# KiCad board untitled.kicad_pcb (continued)
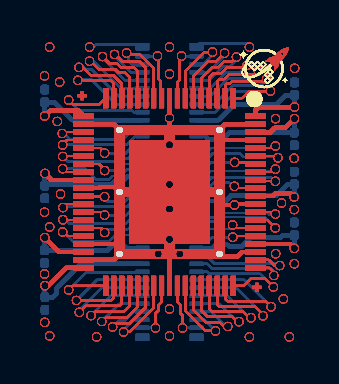
[diagram p0: board, top side]
## Routing (per net, layer and track width the routed paths; a pad name or vN(x,y) marks a point on that pad's centre or on a via; arc(x,y) is an arc through that point) (continued)
/PIN 45: length 239.2
  Top w0.1: 11.52,1.9 11.24,2.18 ; 11.52,1.9 v1(11.78,1.9) ; 11.52,1.9 v1(11.78,1.9) ; 11.52,1.9 v1(11.78,1.9) ; 11.52,1.9 11.24,2.18 ; 11.52,1.9 11.24,2.18 ; 11.52,1.9 v1(11.78,1.9) ; 11.52,1.9 11.24,2.18 ; 11.52,1.9 11.24,2.18 ; 11.52,1.9 v1(11.78,1.9) ; 11.52,1.9 v1(11.78,1.9) ; 11.52,1.9 11.24,2.18 ; 11.52,1.9 11.24,2.18 ; 11.52,1.9 11.24,2.18 ; 11.52,1.9 11.24,2.18 ; 11.52,1.9 11.24,2.18 ; 11.52,1.9 11.24,2.18 ; 11.52,1.9 v1(11.78,1.9) ; 11.52,1.9 11.24,2.18 ; 11.52,1.9 11.24,2.18 ; 11.52,1.9 v1(11.78,1.9) ; 11.52,1.9 v1(11.78,1.9) ; 11.52,1.9 v1(11.78,1.9) ; 11.52,1.9 v1(11.78,1.9) ; 11.52,1.9 v1(11.78,1.9) ; 11.52,1.9 v1(11.78,1.9) ; 11.52,1.9 11.24,2.18 ; 11.52,1.9 11.24,2.18 ; 11.52,1.9 11.24,2.18 ; 11.52,1.9 11.24,2.18 ; 11.52,1.9 v1(11.78,1.9) ; 11.52,1.9 11.24,2.18 ; 11.52,1.9 v1(11.78,1.9) ; 11.52,1.9 11.24,2.18 ; 11.52,1.9 11.24,2.18 ; 11.52,1.9 11.24,2.18 ; 11.52,1.9 11.24,2.18 ; 11.52,1.9 v1(11.78,1.9) ; 11.52,1.9 v1(11.78,1.9) ; 11.52,1.9 11.24,2.18 ; 11.52,1.9 v1(11.78,1.9) ; 11.52,1.9 11.24,2.18 ; 11.52,1.9 v1(11.78,1.9) ; 11.52,1.9 11.24,2.18 ; 11.52,1.9 v1(11.78,1.9) ; 11.52,1.9 11.24,2.18 ; 11.52,1.9 11.24,2.18 ; 11.52,1.9 v1(11.78,1.9) ; 11.52,1.9 11.24,2.18 ; 11.52,1.9 v1(11.78,1.9) ; 11.52,1.9 11.24,2.18 ; 11.52,1.9 v1(11.78,1.9) ; 11.52,1.9 v1(11.78,1.9) ; 11.52,1.9 11.24,2.18 ; 11.52,1.9 11.24,2.18 ; 11.52,1.9 v1(11.78,1.9) ; 11.52,1.9 11.24,2.18 ; 11.52,1.9 v1(11.78,1.9) ; 11.52,1.9 v1(11.78,1.9) ; 11.52,1.9 11.24,2.18 ; 11.52,1.9 v1(11.78,1.9) ; 11.52,1.9 v1(11.78,1.9) ; 11.52,1.9 11.24,2.18 ; 11.52,1.9 v1(11.78,1.9) ; 11.52,1.9 v1(11.78,1.9) ; 11.52,1.9 v1(11.78,1.9) ; 11.52,1.9 11.24,2.18 ; 11.52,1.9 11.24,2.18 ; 11.52,1.9 v1(11.78,1.9) ; 11.52,1.9 v1(11.78,1.9) ; 11.52,1.9 v1(11.78,1.9) ; 11.52,1.9 11.24,2.18 ; 11.52,1.9 v1(11.78,1.9) ; 11.52,1.9 v1(11.78,1.9) ; 11.52,1.9 11.24,2.18 ; 11.52,1.9 11.24,2.18 ; 11.52,1.9 v1(11.78,1.9) ; 11.52,1.9 v1(11.78,1.9) ; 11.52,1.9 v1(11.78,1.9) ; 11.52,1.9 11.24,2.18 ; 11.52,1.9 11.24,2.18 ; 11.52,1.9 11.24,2.18 ; 11.52,1.9 v1(11.78,1.9) ; 11.52,1.9 v1(11.78,1.9) ; 11.24,2.18 J158.56 ; 11.24,2.18 J158.56 ; 11.24,2.18 J158.56 ; 11.24,2.18 J158.56 ; 11.24,2.18 J158.56 ; 11.24,2.18 J158.56 ; 11.24,2.18 J158.56 ; 11.24,2.18 J158.56 ; 11.24,2.18 J158.56 ; 11.24,2.18 J158.56 ; 11.24,2.18 J158.56 ; 11.24,2.18 J158.56 ; 11.24,2.18 J158.56 ; 11.24,2.18 J158.56 ; 11.24,2.18 J158.56 ; 11.24,2.18 J158.56 ; 11.24,2.18 J158.56 ; 11.24,2.18 J158.56 ; 11.24,2.18 J158.56 ; 11.24,2.18 J158.56 ; 11.24,2.18 J158.56 ; 11.24,2.18 J158.56 ; 11.24,2.18 J158.56 ; 11.24,2.18 J158.56 ; 11.24,2.18 J158.56 ; 11.24,2.18 J158.56 ; 11.24,2.18 J158.56 ; 11.24,2.18 J158.56 ; 11.24,2.18 J158.56 ; 11.24,2.18 J158.56 ; 11.24,2.18 J158.56 ; 11.24,2.18 J158.56 ; 11.24,2.18 J158.56 ; 11.24,2.18 J158.56 ; 11.24,2.18 J158.56 ; 11.24,2.18 J158.56 ; 11.24,2.18 J158.56 ; 11.24,2.18 J158.56 ; 11.24,2.18 J158.56 ; 11.24,2.18 J158.56 ; 11.24,2.18 J158.56 ; 11.24,2.18 J158.56
  Bottom w0.1: v1(11.78,1.9) 11.71,1.9 ; v1(11.78,1.9) 11.71,1.9 ; v1(11.78,1.9) 11.71,1.9 ; v1(11.78,1.9) 11.71,1.9 ; v1(11.78,1.9) 11.71,1.9 ; v1(11.78,1.9) 11.71,1.9 ; v1(11.78,1.9) 11.71,1.9 ; v1(11.78,1.9) 11.71,1.9 ; v1(11.78,1.9) 11.71,1.9 ; v1(11.78,1.9) 11.71,1.9 ; v1(11.78,1.9) 11.71,1.9 ; v1(11.78,1.9) 11.71,1.9 ; v1(11.78,1.9) 11.71,1.9 ; v1(11.78,1.9) 11.71,1.9 ; v1(11.78,1.9) 11.71,1.9 ; v1(11.78,1.9) 11.71,1.9 ; v1(11.78,1.9) 11.71,1.9 ; v1(11.78,1.9) 11.71,1.9 ; v1(11.78,1.9) 11.71,1.9 ; v1(11.78,1.9) 11.71,1.9 ; v1(11.78,1.9) 11.71,1.9 ; v1(11.78,1.9) 11.71,1.9 ; v1(11.78,1.9) 11.71,1.9 ; v1(11.78,1.9) 11.71,1.9 ; v1(11.78,1.9) 11.71,1.9 ; v1(11.78,1.9) 11.71,1.9 ; v1(11.78,1.9) 11.71,1.9 ; v1(11.78,1.9) 11.71,1.9 ; v1(11.78,1.9) 11.71,1.9 ; v1(11.78,1.9) 11.71,1.9 ; v1(11.78,1.9) 11.71,1.9 ; v1(11.78,1.9) 11.71,1.9 ; v1(11.78,1.9) 11.71,1.9 ; v1(11.78,1.9) 11.71,1.9 ; v1(11.78,1.9) 11.71,1.9 ; v1(11.78,1.9) 11.71,1.9 ; v1(11.78,1.9) 11.71,1.9 ; v1(11.78,1.9) 11.71,1.9 ; v1(11.78,1.9) 11.71,1.9 ; v1(11.78,1.9) 11.71,1.9 ; v1(11.78,1.9) 11.71,1.9 ; v1(11.78,1.9) 11.71,1.9 ; 11.71,1.9 11.6,2.02 ; 11.71,1.9 11.6,2.02 ; 11.71,1.9 11.6,2.02 ; 11.71,1.9 11.6,2.02 ; 11.71,1.9 11.6,2.02 ; 11.71,1.9 11.6,2.02 ; 11.71,1.9 11.6,2.02 ; 11.71,1.9 11.6,2.02 ; 11.71,1.9 11.6,2.02 ; 11.71,1.9 11.6,2.02 ; 11.71,1.9 11.6,2.02 ; 11.71,1.9 11.6,2.02 ; 11.71,1.9 11.6,2.02 ; 11.71,1.9 11.6,2.02 ; 11.71,1.9 11.6,2.02 ; 11.71,1.9 11.6,2.02 ; 11.71,1.9 11.6,2.02 ; 11.71,1.9 11.6,2.02 ; 11.71,1.9 11.6,2.02 ; 11.71,1.9 11.6,2.02 ; 11.71,1.9 11.6,2.02 ; 11.71,1.9 11.6,2.02 ; 11.71,1.9 11.6,2.02 ; 11.71,1.9 11.6,2.02 ; 11.71,1.9 11.6,2.02 ; 11.71,1.9 11.6,2.02 ; 11.71,1.9 11.6,2.02 ; 11.71,1.9 11.6,2.02 ; 11.71,1.9 11.6,2.02 ; 11.71,1.9 11.6,2.02 ; 11.71,1.9 11.6,2.02 ; 11.71,1.9 11.6,2.02 ; 11.71,1.9 11.6,2.02 ; 11.71,1.9 11.6,2.02 ; 11.71,1.9 11.6,2.02 ; 11.71,1.9 11.6,2.02 ; 11.71,1.9 11.6,2.02 ; 11.71,1.9 11.6,2.02 ; 11.71,1.9 11.6,2.02 ; 11.71,1.9 11.6,2.02 ; 11.71,1.9 11.6,2.02 ; 11.71,1.9 11.6,2.02 ; 11.6,2.02 8.49,2.02 ; 11.6,2.02 8.49,2.02 ; 11.6,2.02 8.49,2.02 ; 11.6,2.02 8.49,2.02 ; 11.6,2.02 8.49,2.02 ; 11.6,2.02 8.49,2.02 ; 11.6,2.02 8.49,2.02 ; 11.6,2.02 8.49,2.02 ; 11.6,2.02 8.49,2.02 ; 11.6,2.02 8.49,2.02 ; 11.6,2.02 8.49,2.02 ; 11.6,2.02 8.49,2.02 ; 11.6,2.02 8.49,2.02 ; 11.6,2.02 8.49,2.02 ; 11.6,2.02 8.49,2.02 ; 11.6,2.02 8.49,2.02 ; 11.6,2.02 8.49,2.02 ; 11.6,2.02 8.49,2.02 ; 11.6,2.02 8.49,2.02 ; 11.6,2.02 8.49,2.02 ; 11.6,2.02 8.49,2.02 ; 11.6,2.02 8.49,2.02 ; 11.6,2.02 8.49,2.02 ; 11.6,2.02 8.49,2.02 ; 11.6,2.02 8.49,2.02 ; 11.6,2.02 8.49,2.02 ; 11.6,2.02 8.49,2.02 ; 11.6,2.02 8.49,2.02 ; 11.6,2.02 8.49,2.02 ; 11.6,2.02 8.49,2.02 ; 11.6,2.02 8.49,2.02 ; 11.6,2.02 8.49,2.02 ; 11.6,2.02 8.49,2.02 ; 11.6,2.02 8.49,2.02 ; 11.6,2.02 8.49,2.02 ; 11.6,2.02 8.49,2.02 ; 11.6,2.02 8.49,2.02 ; 11.6,2.02 8.49,2.02 ; 11.6,2.02 8.49,2.02 ; 11.6,2.02 8.49,2.02 ; 11.6,2.02 8.49,2.02 ; 11.6,2.02 8.49,2.02 ; 8.13,2.38 J173.26 ; 8.13,2.38 8.49,2.02 ; 8.13,2.38 8.49,2.02 ; 8.13,2.38 J173.26 ; 8.13,2.38 8.49,2.02 ; 8.13,2.38 8.49,2.02 ; 8.13,2.38 J173.26 ; 8.13,2.38 J173.26 ; 8.13,2.38 J173.26 ; 8.13,2.38 J173.26 ; 8.13,2.38 8.49,2.02 ; 8.13,2.38 J173.26 ; 8.13,2.38 J173.26 ; 8.13,2.38 J173.26 ; 8.13,2.38 J173.26 ; 8.13,2.38 J173.26 ; 8.13,2.38 J173.26 ; 8.13,2.38 8.49,2.02 ; 8.13,2.38 J173.26 ; 8.13,2.38 8.49,2.02 ; 8.13,2.38 J173.26 ; 8.13,2.38 J173.26 ; 8.13,2.38 J173.26 ; 8.13,2.38 J173.26 ; 8.13,2.38 8.49,2.02 ; 8.13,2.38 J173.26 ; 8.13,2.38 J173.26 ; 8.13,2.38 J173.26 ; 8.13,2.38 8.49,2.02 ; 8.13,2.38 8.49,2.02 ; 8.13,2.38 8.49,2.02 ; 8.13,2.38 J173.26 ; 8.13,2.38 8.49,2.02 ; 8.13,2.38 8.49,2.02 ; 8.13,2.38 J173.26 ; 8.13,2.38 8.49,2.02 ; 8.13,2.38 8.49,2.02 ; 8.13,2.38 8.49,2.02 ; 8.13,2.38 8.49,2.02 ; 8.13,2.38 8.49,2.02 ; 8.13,2.38 J173.26 ; 8.13,2.38 J173.26 ; 8.13,2.38 J173.26 ; 8.13,2.38 8.49,2.02 ; 8.13,2.38 8.49,2.02 ; 8.13,2.38 J173.26 ; 8.13,2.38 8.49,2.02 ; 8.13,2.38 8.49,2.02 ; 8.13,2.38 8.49,2.02 ; 8.13,2.38 J173.26 ; 8.13,2.38 8.49,2.02 ; 8.13,2.38 J173.26 ; 8.13,2.38 8.49,2.02 ; 8.13,2.38 8.49,2.02 ; 8.13,2.38 8.49,2.02 ; 8.13,2.38 J173.26 ; 8.13,2.38 J173.26 ; 8.13,2.38 J173.26 ; 8.13,2.38 J173.26 ; 8.13,2.38 8.49,2.02 ; 8.13,2.38 J173.26 ; 8.13,2.38 J173.26 ; 8.13,2.38 J173.26 ; 8.13,2.38 J173.26 ; 8.13,2.38 J173.26 ; 8.13,2.38 8.49,2.02 ; 8.13,2.38 8.49,2.02 ; 8.13,2.38 8.49,2.02 ; 8.13,2.38 8.49,2.02 ; 8.13,2.38 8.49,2.02 ; 8.13,2.38 8.49,2.02 ; 8.13,2.38 8.49,2.02 ; 8.13,2.38 8.49,2.02 ; 8.13,2.38 8.49,2.02 ; 8.13,2.38 J173.26 ; 8.13,2.38 J173.26 ; 8.13,2.38 8.49,2.02 ; 8.13,2.38 J173.26 ; 8.13,2.38 8.49,2.02 ; 8.13,2.38 J173.26 ; 8.13,2.38 J173.26 ; 8.13,2.38 8.49,2.02 ; 8.13,2.38 8.49,2.02 ; 8.13,2.38 8.49,2.02
/PIN 46: length 332.7
  Top w0.2: 12.29,2.98 J158.58 ; 12.29,2.98 J158.58 ; 12.29,2.98 v1(12.51,2.76) ; 12.29,2.98 v1(12.51,2.76) ; 12.29,2.98 v1(12.51,2.76) ; 12.29,2.98 J158.58 ; 12.29,2.98 v1(12.51,2.76) ; 12.29,2.98 v1(12.51,2.76) ; 12.29,2.98 v1(12.51,2.76) ; 12.29,2.98 v1(12.51,2.76) ; 12.29,2.98 J158.58 ; 12.29,2.98 v1(12.51,2.76) ; 12.29,2.98 v1(12.51,2.76) ; 12.29,2.98 v1(12.51,2.76) ; 12.29,2.98 J158.58 ; 12.29,2.98 v1(12.51,2.76) ; 12.29,2.98 J158.58 ; 12.29,2.98 v1(12.51,2.76) ; 12.29,2.98 v1(12.51,2.76) ; 12.29,2.98 J158.58 ; 12.29,2.98 J158.58 ; 12.29,2.98 J158.58 ; 12.29,2.98 J158.58 ; 12.29,2.98 J158.58 ; 12.29,2.98 v1(12.51,2.76) ; 12.29,2.98 v1(12.51,2.76) ; 12.29,2.98 v1(12.51,2.76) ; 12.29,2.98 v1(12.51,2.76) ; 12.29,2.98 J158.58 ; 12.29,2.98 J158.58 ; 12.29,2.98 J158.58 ; 12.29,2.98 v1(12.51,2.76) ; 12.29,2.98 v1(12.51,2.76) ; 12.29,2.98 J158.58 ; 12.29,2.98 J158.58 ; 12.29,2.98 J158.58 ; 12.29,2.98 J158.58 ; 12.29,2.98 J158.58 ; 12.29,2.98 J158.58 ; 12.29,2.98 J158.58 ; 12.29,2.98 J158.58 ; 12.29,2.98 J158.58 ; 12.29,2.98 J158.58 ; 12.29,2.98 v1(12.51,2.76) ; 12.29,2.98 v1(12.51,2.76) ; 12.29,2.98 J158.58 ; 12.29,2.98 J158.58 ; 12.29,2.98 v1(12.51,2.76) ; 12.29,2.98 v1(12.51,2.76) ; 12.29,2.98 J158.58 ; 12.29,2.98 J158.58 ; 12.29,2.98 J158.58 ; 12.29,2.98 J158.58 ; 12.29,2.98 v1(12.51,2.76) ; 12.29,2.98 v1(12.51,2.76) ; 12.29,2.98 v1(12.51,2.76) ; 12.29,2.98 J158.58 ; 12.29,2.98 v1(12.51,2.76) ; 12.29,2.98 v1(12.51,2.76) ; 12.29,2.98 J158.58 ; 12.29,2.98 J158.58 ; 12.29,2.98 v1(12.51,2.76) ; 12.29,2.98 v1(12.51,2.76) ; 12.29,2.98 J158.58 ; 12.29,2.98 v1(12.51,2.76) ; 12.29,2.98 v1(12.51,2.76) ; 12.29,2.98 J158.58 ; 12.29,2.98 v1(12.51,2.76) ; 12.29,2.98 v1(12.51,2.76) ; 12.29,2.98 J158.58 ; 12.29,2.98 J158.58 ; 12.29,2.98 J158.58 ; 12.29,2.98 J158.58 ; 12.29,2.98 J158.58 ; 12.29,2.98 v1(12.51,2.76) ; 12.29,2.98 v1(12.51,2.76) ; 12.29,2.98 v1(12.51,2.76) ; 12.29,2.98 v1(12.51,2.76) ; 12.29,2.98 v1(12.51,2.76) ; 12.29,2.98 J158.58 ; 12.29,2.98 v1(12.51,2.76) ; 12.29,2.98 v1(12.51,2.76) ; 12.29,2.98 v1(12.51,2.76) ; 12.29,2.98 J158.58
  Bottom w0.2: 11.94,3.41 C244.1 ; 11.94,3.41 C244.1 ; 11.94,3.41 11.81,3.29 ; 11.94,3.41 C244.1 ; 11.94,3.41 C244.1 ; 11.94,3.41 C244.1 ; 11.94,3.41 11.81,3.29 ; 11.94,3.41 11.81,3.29 ; 11.94,3.41 C244.1 ; 11.94,3.41 11.81,3.29 ; 11.94,3.41 11.81,3.29 ; 11.94,3.41 11.81,3.29 ; 11.94,3.41 11.81,3.29 ; 11.94,3.41 C244.1 ; 11.94,3.41 11.81,3.29 ; 11.94,3.41 11.81,3.29 ; 11.94,3.41 11.81,3.29 ; 11.94,3.41 11.81,3.29 ; 11.94,3.41 C244.1 ; 11.94,3.41 C244.1 ; 11.94,3.41 C244.1 ; 11.94,3.41 C244.1 ; 11.94,3.41 11.81,3.29 ; 11.94,3.41 C244.1 ; 11.94,3.41 11.81,3.29 ; 11.94,3.41 C244.1 ; 11.94,3.41 C244.1 ; 11.94,3.41 11.81,3.29 ; 11.94,3.41 C244.1 ; 11.94,3.41 C244.1 ; 11.94,3.41 C244.1 ; 11.94,3.41 C244.1 ; 11.94,3.41 11.81,3.29 ; 11.94,3.41 11.81,3.29 ; 11.94,3.41 C244.1 ; 11.94,3.41 11.81,3.29 ; 11.94,3.41 C244.1 ; 11.94,3.41 C244.1 ; 11.94,3.41 C244.1 ; 11.94,3.41 C244.1 ; 11.94,3.41 11.81,3.29 ; 11.94,3.41 11.81,3.29 ; 11.94,3.41 C244.1 ; 11.94,3.41 C244.1 ; 11.94,3.41 C244.1 ; 11.94,3.41 11.81,3.29 ; 11.94,3.41 C244.1 ; 11.94,3.41 11.81,3.29 ; 11.94,3.41 C244.1 ; 11.94,3.41 C244.1 ; 11.94,3.41 11.81,3.29 ; 11.94,3.41 11.81,3.29 ; 11.94,3.41 C244.1 ; 11.94,3.41 C244.1 ; 11.94,3.41 11.81,3.29 ; 11.94,3.41 C244.1 ; 11.94,3.41 C244.1 ; 11.94,3.41 11.81,3.29 ; 11.94,3.41 11.81,3.29 ; 11.94,3.41 C244.1 ; 11.94,3.41 C244.1 ; 11.94,3.41 C244.1 ; 11.94,3.41 11.81,3.29 ; 11.94,3.41 11.81,3.29 ; 11.94,3.41 11.81,3.29 ; 11.94,3.41 11.81,3.29 ; 11.94,3.41 11.81,3.29 ; 11.94,3.41 11.81,3.29 ; 11.94,3.41 C244.1 ; 11.94,3.41 11.81,3.29 ; 11.94,3.41 11.81,3.29 ; 11.94,3.41 11.81,3.29 ; 11.94,3.41 C244.1 ; 11.94,3.41 11.81,3.29 ; 11.94,3.41 11.81,3.29 ; 11.94,3.41 C244.1 ; 11.94,3.41 11.81,3.29 ; 11.94,3.41 11.81,3.29 ; 11.94,3.41 11.81,3.29 ; 11.94,3.41 11.81,3.29 ; 11.94,3.41 C244.1 ; 11.94,3.41 C244.1 ; 11.94,3.41 11.81,3.29 ; 11.94,3.41 C244.1 ; C244.1 v1(12.51,2.76) ; C244.1 v1(12.51,2.76) ; C244.1 v1(12.51,2.76) ; C244.1 v1(12.51,2.76) ; C244.1 v1(12.51,2.76) ; C244.1 v1(12.51,2.76) ; C244.1 v1(12.51,2.76) ; C244.1 v1(12.51,2.76) ; C244.1 v1(12.51,2.76) ; C244.1 v1(12.51,2.76) ; C244.1 v1(12.51,2.76) ; C244.1 v1(12.51,2.76) ; C244.1 v1(12.51,2.76) ; C244.1 v1(12.51,2.76) ; C244.1 v1(12.51,2.76) ; C244.1 v1(12.51,2.76) ; C244.1 v1(12.51,2.76) ; C244.1 v1(12.51,2.76) ; C244.1 v1(12.51,2.76) ; C244.1 v1(12.51,2.76) ; C244.1 v1(12.51,2.76) ; C244.1 v1(12.51,2.76) ; C244.1 v1(12.51,2.76) ; C244.1 v1(12.51,2.76) ; C244.1 v1(12.51,2.76) ; C244.1 v1(12.51,2.76) ; C244.1 v1(12.51,2.76) ; C244.1 v1(12.51,2.76) ; C244.1 v1(12.51,2.76) ; C244.1 v1(12.51,2.76) ; C244.1 v1(12.51,2.76) ; C244.1 v1(12.51,2.76) ; C244.1 v1(12.51,2.76) ; C244.1 v1(12.51,2.76) ; C244.1 v1(12.51,2.76) ; C244.1 v1(12.51,2.76) ; C244.1 v1(12.51,2.76) ; C244.1 v1(12.51,2.76) ; C244.1 v1(12.51,2.76) ; C244.1 v1(12.51,2.76) ; C244.1 v1(12.51,2.76) ; C244.1 v1(12.51,2.76) ; 8.42,2.78 8.57,2.93 ; 8.42,2.78 J173.25 ; 8.42,2.78 8.57,2.93 ; 8.42,2.78 8.57,2.93 ; 8.42,2.78 J173.25 ; 8.42,2.78 8.57,2.93 ; 8.42,2.78 8.57,2.93 ; 8.42,2.78 J173.25 ; 8.42,2.78 J173.25 ; 8.42,2.78 8.57,2.93 ; 8.42,2.78 8.57,2.93 ; 8.42,2.78 8.57,2.93 ; 8.42,2.78 J173.25 ; 8.42,2.78 J173.25 ; 8.42,2.78 8.57,2.93 ; 8.42,2.78 J173.25 ; 8.42,2.78 8.57,2.93 ; 8.42,2.78 8.57,2.93 ; 8.42,2.78 8.57,2.93 ; 8.42,2.78 J173.25 ; 8.42,2.78 J173.25 ; 8.42,2.78 8.57,2.93 ; 8.42,2.78 J173.25 ; 8.42,2.78 J173.25 ; 8.42,2.78 8.57,2.93 ; 8.42,2.78 8.57,2.93 ; 8.42,2.78 8.57,2.93 ; 8.42,2.78 J173.25 ; 8.42,2.78 8.57,2.93 ; 8.42,2.78 8.57,2.93 ; 8.42,2.78 J173.25 ; 8.42,2.78 J173.25 ; 8.42,2.78 J173.25 ; 8.42,2.78 8.57,2.93 ; 8.42,2.78 8.57,2.93 ; 8.42,2.78 8.57,2.93 ; 8.42,2.78 J173.25 ; 8.42,2.78 8.57,2.93 ; 8.42,2.78 J173.25 ; 8.42,2.78 J173.25 ; 8.42,2.78 J173.25 ; 8.42,2.78 J173.25 ; 8.42,2.78 8.57,2.93 ; 8.42,2.78 8.57,2.93 ; 8.42,2.78 8.57,2.93 ; 8.42,2.78 J173.25 ; 8.42,2.78 8.57,2.93 ; 8.42,2.78 8.57,2.93 ; 8.42,2.78 8.57,2.93 ; 8.42,2.78 J173.25 ; 8.42,2.78 8.57,2.93 ; 8.42,2.78 J173.25 ; 8.42,2.78 J173.25 ; 8.42,2.78 8.57,2.93 ; 8.42,2.78 J173.25 ; 8.42,2.78 J173.25 ; 8.42,2.78 J173.25 ; 8.42,2.78 J173.25 ; 8.42,2.78 8.57,2.93 ; 8.42,2.78 J173.25 ; 8.42,2.78 J173.25 ; 8.42,2.78 8.57,2.93 ; 8.42,2.78 J173.25 ; 8.42,2.78 8.57,2.93 ; 8.42,2.78 J173.25 ; 8.42,2.78 8.57,2.93 ; 8.42,2.78 8.57,2.93 ; 8.42,2.78 J173.25 ; 8.42,2.78 J173.25 ; 8.42,2.78 J173.25 ; 8.42,2.78 J173.25 ; 8.42,2.78 8.57,2.93 ; 8.42,2.78 8.57,2.93 ; 8.42,2.78 J173.25 ; 8.42,2.78 J173.25 ; 8.42,2.78 J173.25 ; 8.42,2.78 8.57,2.93 ; 8.42,2.78 J173.25 ; 8.42,2.78 8.57,2.93 ; 8.42,2.78 8.57,2.93 ; 8.42,2.78 J173.25 ; 8.42,2.78 8.57,2.93 ; 8.42,2.78 J173.25 ; 8.42,2.78 8.57,2.93 ; 8.57,2.93 9.18,2.93 ; 8.57,2.93 9.18,2.93 ; 8.57,2.93 9.18,2.93 ; 8.57,2.93 9.18,2.93 ; 8.57,2.93 9.18,2.93 ; 8.57,2.93 9.18,2.93 ; 8.57,2.93 9.18,2.93 ; 8.57,2.93 9.18,2.93 ; 8.57,2.93 9.18,2.93 ; 8.57,2.93 9.18,2.93 ; 8.57,2.93 9.18,2.93 ; 8.57,2.93 9.18,2.93 ; 8.57,2.93 9.18,2.93 ; 8.57,2.93 9.18,2.93 ; 8.57,2.93 9.18,2.93 ; 8.57,2.93 9.18,2.93 ; 8.57,2.93 9.18,2.93 ; 8.57,2.93 9.18,2.93 ; 8.57,2.93 9.18,2.93 ; 8.57,2.93 9.18,2.93 ; 8.57,2.93 9.18,2.93 ; 8.57,2.93 9.18,2.93 ; 8.57,2.93 9.18,2.93 ; 8.57,2.93 9.18,2.93 ; 8.57,2.93 9.18,2.93 ; 8.57,2.93 9.18,2.93 ; 8.57,2.93 9.18,2.93 ; 8.57,2.93 9.18,2.93 ; 8.57,2.93 9.18,2.93 ; 8.57,2.93 9.18,2.93 ; 8.57,2.93 9.18,2.93 ; 8.57,2.93 9.18,2.93 ; 8.57,2.93 9.18,2.93 ; 8.57,2.93 9.18,2.93 ; 8.57,2.93 9.18,2.93 ; 8.57,2.93 9.18,2.93 ; 8.57,2.93 9.18,2.93 ; 8.57,2.93 9.18,2.93 ; 8.57,2.93 9.18,2.93 ; 8.57,2.93 9.18,2.93 ; 8.57,2.93 9.18,2.93 ; 8.57,2.93 9.18,2.93 ; 10.32,3.29 11.81,3.29 ; 10.32,3.29 9.88,2.85 ; 10.32,3.29 11.81,3.29 ; 10.32,3.29 11.81,3.29 ; 10.32,3.29 9.88,2.85 ; 10.32,3.29 11.81,3.29 ; 10.32,3.29 9.88,2.85 ; 10.32,3.29 11.81,3.29 ; 10.32,3.29 11.81,3.29 ; 10.32,3.29 9.88,2.85 ; 10.32,3.29 9.88,2.85 ; 10.32,3.29 11.81,3.29 ; 10.32,3.29 11.81,3.29 ; 10.32,3.29 11.81,3.29 ; 10.32,3.29 9.88,2.85 ; 10.32,3.29 9.88,2.85 ; 10.32,3.29 11.81,3.29 ; 10.32,3.29 11.81,3.29 ; 10.32,3.29 11.81,3.29 ; 10.32,3.29 9.88,2.85 ; 10.32,3.29 9.88,2.85 ; 10.32,3.29 9.88,2.85 ; 10.32,3.29 9.88,2.85 ; 10.32,3.29 9.88,2.85 ; 10.32,3.29 11.81,3.29 ; 10.32,3.29 9.88,2.85 ; 10.32,3.29 9.88,2.85 ; 10.32,3.29 9.88,2.85 ; 10.32,3.29 11.81,3.29 ; 10.32,3.29 11.81,3.29 ; 10.32,3.29 11.81,3.29 ; 10.32,3.29 11.81,3.29 ; 10.32,3.29 9.88,2.85 ; 10.32,3.29 9.88,2.85 ; 10.32,3.29 9.88,2.85 ; 10.32,3.29 9.88,2.85 ; 10.32,3.29 11.81,3.29 ; 10.32,3.29 11.81,3.29 ; 10.32,3.29 11.81,3.29 ; 10.32,3.29 9.88,2.85 ; 10.32,3.29 11.81,3.29 ; 10.32,3.29 11.81,3.29 ; 10.32,3.29 11.81,3.29 ; 10.32,3.29 9.88,2.85 ; 10.32,3.29 9.88,2.85 ; 10.32,3.29 9.88,2.85 ; 10.32,3.29 9.88,2.85 ; 10.32,3.29 9.88,2.85 ; 10.32,3.29 9.88,2.85 ; 10.32,3.29 9.88,2.85 ; 10.32,3.29 9.88,2.85 ; 10.32,3.29 11.81,3.29 ; 10.32,3.29 9.88,2.85 ; 10.32,3.29 11.81,3.29 ; 10.32,3.29 9.88,2.85 ; 10.32,3.29 11.81,3.29 ; 10.32,3.29 11.81,3.29 ; 10.32,3.29 9.88,2.85 ; 10.32,3.29 11.81,3.29 ; 10.32,3.29 11.81,3.29 ; 10.32,3.29 11.81,3.29 ; 10.32,3.29 9.88,2.85 ; 10.32,3.29 11.81,3.29 ; 10.32,3.29 11.81,3.29 ; 10.32,3.29 11.81,3.29 ; 10.32,3.29 9.88,2.85 ; 10.32,3.29 11.81,3.29 ; 10.32,3.29 11.81,3.29 ; 10.32,3.29 9.88,2.85 ; 10.32,3.29 11.81,3.29 ; 10.32,3.29 9.88,2.85 ; 10.32,3.29 11.81,3.29 ; 10.32,3.29 11.81,3.29 ; 10.32,3.29 11.81,3.29 ; 10.32,3.29 9.88,2.85 ; 10.32,3.29 9.88,2.85 ; 10.32,3.29 11.81,3.29 ; 10.32,3.29 11.81,3.29 ; 10.32,3.29 9.88,2.85 ; 10.32,3.29 11.81,3.29 ; 10.32,3.29 9.88,2.85 ; 10.32,3.29 9.88,2.85 ; 10.32,3.29 9.88,2.85 ; 10.32,3.29 9.88,2.85 ; 9.88,2.85 9.26,2.85 ; 9.88,2.85 9.26,2.85 ; 9.88,2.85 9.26,2.85 ; 9.88,2.85 9.26,2.85 ; 9.88,2.85 9.26,2.85 ; 9.88,2.85 9.26,2.85 ; 9.88,2.85 9.26,2.85 ; 9.88,2.85 9.26,2.85 ; 9.88,2.85 9.26,2.85 ; 9.88,2.85 9.26,2.85 ; 9.88,2.85 9.26,2.85 ; 9.88,2.85 9.26,2.85 ; 9.88,2.85 9.26,2.85 ; 9.88,2.85 9.26,2.85 ; 9.88,2.85 9.26,2.85 ; 9.88,2.85 9.26,2.85 ; 9.88,2.85 9.26,2.85 ; 9.88,2.85 9.26,2.85 ; 9.88,2.85 9.26,2.85 ; 9.88,2.85 9.26,2.85 ; 9.88,2.85 9.26,2.85 ; 9.88,2.85 9.26,2.85 ; 9.88,2.85 9.26,2.85 ; 9.88,2.85 9.26,2.85 ; 9.88,2.85 9.26,2.85 ; 9.88,2.85 9.26,2.85 ; 9.88,2.85 9.26,2.85 ; 9.88,2.85 9.26,2.85 ; 9.88,2.85 9.26,2.85 ; 9.88,2.85 9.26,2.85 ; 9.88,2.85 9.26,2.85 ; 9.88,2.85 9.26,2.85 ; 9.88,2.85 9.26,2.85 ; 9.88,2.85 9.26,2.85 ; 9.88,2.85 9.26,2.85 ; 9.88,2.85 9.26,2.85 ; 9.88,2.85 9.26,2.85 ; 9.88,2.85 9.26,2.85 ; 9.88,2.85 9.26,2.85 ; 9.88,2.85 9.26,2.85 ; 9.88,2.85 9.26,2.85 ; 9.88,2.85 9.26,2.85 ; 9.26,2.85 9.18,2.93 ; 9.26,2.85 9.18,2.93 ; 9.26,2.85 9.18,2.93 ; 9.26,2.85 9.18,2.93 ; 9.26,2.85 9.18,2.93 ; 9.26,2.85 9.18,2.93 ; 9.26,2.85 9.18,2.93 ; 9.26,2.85 9.18,2.93 ; 9.26,2.85 9.18,2.93 ; 9.26,2.85 9.18,2.93 ; 9.26,2.85 9.18,2.93 ; 9.26,2.85 9.18,2.93 ; 9.26,2.85 9.18,2.93 ; 9.26,2.85 9.18,2.93 ; 9.26,2.85 9.18,2.93 ; 9.26,2.85 9.18,2.93 ; 9.26,2.85 9.18,2.93 ; 9.26,2.85 9.18,2.93 ; 9.26,2.85 9.18,2.93 ; 9.26,2.85 9.18,2.93 ; 9.26,2.85 9.18,2.93 ; 9.26,2.85 9.18,2.93 ; 9.26,2.85 9.18,2.93 ; 9.26,2.85 9.18,2.93 ; 9.26,2.85 9.18,2.93 ; 9.26,2.85 9.18,2.93 ; 9.26,2.85 9.18,2.93 ; 9.26,2.85 9.18,2.93 ; 9.26,2.85 9.18,2.93 ; 9.26,2.85 9.18,2.93 ; 9.26,2.85 9.18,2.93 ; 9.26,2.85 9.18,2.93 ; 9.26,2.85 9.18,2.93 ; 9.26,2.85 9.18,2.93 ; 9.26,2.85 9.18,2.93 ; 9.26,2.85 9.18,2.93 ; 9.26,2.85 9.18,2.93 ; 9.26,2.85 9.18,2.93 ; 9.26,2.85 9.18,2.93 ; 9.26,2.85 9.18,2.93 ; 9.26,2.85 9.18,2.93 ; 9.26,2.85 9.18,2.93
/PIN 47: length 127.2
  Top w0.1: 9.49,3.38 v1(9.43,3.32) ; 9.49,3.38 v1(9.43,3.32) ; 9.49,3.38 J158.59 ; 9.49,3.38 J158.59 ; 9.49,3.38 v1(9.43,3.32) ; 9.49,3.38 J158.59 ; 9.49,3.38 v1(9.43,3.32) ; 9.49,3.38 J158.59 ; 9.49,3.38 v1(9.43,3.32) ; 9.49,3.38 v1(9.43,3.32) ; 9.49,3.38 J158.59 ; 9.49,3.38 J158.59 ; 9.49,3.38 v1(9.43,3.32) ; 9.49,3.38 v1(9.43,3.32) ; 9.49,3.38 J158.59 ; 9.49,3.38 v1(9.43,3.32) ; 9.49,3.38 v1(9.43,3.32) ; 9.49,3.38 J158.59 ; 9.49,3.38 J158.59 ; 9.49,3.38 v1(9.43,3.32) ; 9.49,3.38 J158.59 ; 9.49,3.38 v1(9.43,3.32) ; 9.49,3.38 v1(9.43,3.32) ; 9.49,3.38 v1(9.43,3.32) ; 9.49,3.38 J158.59 ; 9.49,3.38 v1(9.43,3.32) ; 9.49,3.38 J158.59 ; 9.49,3.38 J158.59 ; 9.49,3.38 v1(9.43,3.32) ; 9.49,3.38 J158.59 ; 9.49,3.38 J158.59 ; 9.49,3.38 v1(9.43,3.32) ; 9.49,3.38 J158.59 ; 9.49,3.38 J158.59 ; 9.49,3.38 J158.59 ; 9.49,3.38 v1(9.43,3.32) ; 9.49,3.38 v1(9.43,3.32) ; 9.49,3.38 v1(9.43,3.32) ; 9.49,3.38 J158.59 ; 9.49,3.38 J158.59 ; 9.49,3.38 v1(9.43,3.32) ; 9.49,3.38 J158.59 ; 9.49,3.38 J158.59 ; 9.49,3.38 v1(9.43,3.32) ; 9.49,3.38 J158.59 ; 9.49,3.38 v1(9.43,3.32) ; 9.49,3.38 J158.59 ; 9.49,3.38 v1(9.43,3.32) ; 9.49,3.38 J158.59 ; 9.49,3.38 J158.59 ; 9.49,3.38 v1(9.43,3.32) ; 9.49,3.38 J158.59 ; 9.49,3.38 v1(9.43,3.32) ; 9.49,3.38 v1(9.43,3.32) ; 9.49,3.38 J158.59 ; 9.49,3.38 J158.59 ; 9.49,3.38 J158.59 ; 9.49,3.38 J158.59 ; 9.49,3.38 v1(9.43,3.32) ; 9.49,3.38 v1(9.43,3.32) ; 9.49,3.38 J158.59 ; 9.49,3.38 J158.59 ; 9.49,3.38 v1(9.43,3.32) ; 9.49,3.38 v1(9.43,3.32) ; 9.49,3.38 J158.59 ; 9.49,3.38 v1(9.43,3.32) ; 9.49,3.38 v1(9.43,3.32) ; 9.49,3.38 v1(9.43,3.32) ; 9.49,3.38 v1(9.43,3.32) ; 9.49,3.38 J158.59 ; 9.49,3.38 J158.59 ; 9.49,3.38 J158.59 ; 9.49,3.38 J158.59 ; 9.49,3.38 v1(9.43,3.32) ; 9.49,3.38 v1(9.43,3.32) ; 9.49,3.38 v1(9.43,3.32) ; 9.49,3.38 J158.59 ; 9.49,3.38 J158.59 ; 9.49,3.38 v1(9.43,3.32) ; 9.49,3.38 J158.59 ; 9.49,3.38 J158.59 ; 9.49,3.38 v1(9.43,3.32) ; 9.49,3.38 v1(9.43,3.32) ; 9.49,3.38 v1(9.43,3.32)
  Bottom w0.1: 8.4,3.32 8.26,3.18 ; 8.4,3.32 v1(9.43,3.32) ; 8.4,3.32 8.26,3.18 ; 8.4,3.32 v1(9.43,3.32) ; 8.4,3.32 v1(9.43,3.32) ; 8.4,3.32 8.26,3.18 ; 8.4,3.32 v1(9.43,3.32) ; 8.4,3.32 8.26,3.18 ; 8.4,3.32 8.26,3.18 ; 8.4,3.32 8.26,3.18 ; 8.4,3.32 8.26,3.18 ; 8.4,3.32 8.26,3.18 ; 8.4,3.32 v1(9.43,3.32) ; 8.4,3.32 v1(9.43,3.32) ; 8.4,3.32 8.26,3.18 ; 8.4,3.32 8.26,3.18 ; 8.4,3.32 v1(9.43,3.32) ; 8.4,3.32 v1(9.43,3.32) ; 8.4,3.32 8.26,3.18 ; 8.4,3.32 v1(9.43,3.32) ; 8.4,3.32 v1(9.43,3.32) ; 8.4,3.32 v1(9.43,3.32) ; 8.4,3.32 8.26,3.18 ; 8.4,3.32 8.26,3.18 ; 8.4,3.32 8.26,3.18 ; 8.4,3.32 v1(9.43,3.32) ; 8.4,3.32 8.26,3.18 ; 8.4,3.32 8.26,3.18 ; 8.4,3.32 v1(9.43,3.32) ; 8.4,3.32 v1(9.43,3.32) ; 8.4,3.32 8.26,3.18 ; 8.4,3.32 v1(9.43,3.32) ; 8.4,3.32 v1(9.43,3.32) ; 8.4,3.32 v1(9.43,3.32) ; 8.4,3.32 v1(9.43,3.32) ; 8.4,3.32 8.26,3.18 ; 8.4,3.32 v1(9.43,3.32) ; 8.4,3.32 v1(9.43,3.32) ; 8.4,3.32 v1(9.43,3.32) ; 8.4,3.32 v1(9.43,3.32) ; 8.4,3.32 v1(9.43,3.32) ; 8.4,3.32 v1(9.43,3.32) ; 8.4,3.32 8.26,3.18 ; 8.4,3.32 8.26,3.18 ; 8.4,3.32 v1(9.43,3.32) ; 8.4,3.32 8.26,3.18 ; 8.4,3.32 v1(9.43,3.32) ; 8.4,3.32 v1(9.43,3.32) ; 8.4,3.32 v1(9.43,3.32) ; 8.4,3.32 8.26,3.18 ; 8.4,3.32 v1(9.43,3.32) ; 8.4,3.32 v1(9.43,3.32) ; 8.4,3.32 8.26,3.18 ; 8.4,3.32 8.26,3.18 ; 8.4,3.32 8.26,3.18 ; 8.4,3.32 v1(9.43,3.32) ; 8.4,3.32 8.26,3.18 ; 8.4,3.32 v1(9.43,3.32) ; 8.4,3.32 8.26,3.18 ; 8.4,3.32 v1(9.43,3.32) ; 8.4,3.32 8.26,3.18 ; 8.4,3.32 8.26,3.18 ; 8.4,3.32 8.26,3.18 ; 8.4,3.32 8.26,3.18 ; 8.4,3.32 8.26,3.18 ; 8.4,3.32 8.26,3.18 ; 8.4,3.32 8.26,3.18 ; 8.4,3.32 8.26,3.18 ; 8.4,3.32 v1(9.43,3.32) ; 8.4,3.32 v1(9.43,3.32) ; 8.4,3.32 v1(9.43,3.32) ; 8.4,3.32 8.26,3.18 ; 8.4,3.32 v1(9.43,3.32) ; 8.4,3.32 v1(9.43,3.32) ; 8.4,3.32 8.26,3.18 ; 8.4,3.32 v1(9.43,3.32) ; 8.4,3.32 v1(9.43,3.32) ; 8.4,3.32 8.26,3.18 ; 8.4,3.32 8.26,3.18 ; 8.4,3.32 v1(9.43,3.32) ; 8.4,3.32 8.26,3.18 ; 8.4,3.32 v1(9.43,3.32) ; 8.4,3.32 8.26,3.18 ; 8.4,3.32 8.26,3.18 ; 8.26,3.18 J173.24 ; 8.26,3.18 J173.24 ; 8.26,3.18 J173.24 ; 8.26,3.18 J173.24 ; 8.26,3.18 J173.24 ; 8.26,3.18 J173.24 ; 8.26,3.18 J173.24 ; 8.26,3.18 J173.24 ; 8.26,3.18 J173.24 ; 8.26,3.18 J173.24 ; 8.26,3.18 J173.24 ; 8.26,3.18 J173.24 ; 8.26,3.18 J173.24 ; 8.26,3.18 J173.24 ; 8.26,3.18 J173.24 ; 8.26,3.18 J173.24 ; 8.26,3.18 J173.24 ; 8.26,3.18 J173.24 ; 8.26,3.18 J173.24 ; 8.26,3.18 J173.24 ; 8.26,3.18 J173.24 ; 8.26,3.18 J173.24 ; 8.26,3.18 J173.24 ; 8.26,3.18 J173.24 ; 8.26,3.18 J173.24 ; 8.26,3.18 J173.24 ; 8.26,3.18 J173.24 ; 8.26,3.18 J173.24 ; 8.26,3.18 J173.24 ; 8.26,3.18 J173.24 ; 8.26,3.18 J173.24 ; 8.26,3.18 J173.24 ; 8.26,3.18 J173.24 ; 8.26,3.18 J173.24 ; 8.26,3.18 J173.24 ; 8.26,3.18 J173.24 ; 8.26,3.18 J173.24 ; 8.26,3.18 J173.24 ; 8.26,3.18 J173.24 ; 8.26,3.18 J173.24 ; 8.26,3.18 J173.24 ; 8.26,3.18 J173.24
/PIN 48: length 133
  Top w0.1: 9.42,3.91 9.55,3.78 ; 9.42,3.91 v1(9.42,3.93) ; 9.42,3.91 v1(9.42,3.93) ; 9.42,3.91 v1(9.42,3.93) ; 9.42,3.91 9.55,3.78 ; 9.42,3.91 9.55,3.78 ; 9.42,3.91 v1(9.42,3.93) ; 9.42,3.91 9.55,3.78 ; 9.42,3.91 9.55,3.78 ; 9.42,3.91 9.55,3.78 ; 9.42,3.91 9.55,3.78 ; 9.42,3.91 9.55,3.78 ; 9.42,3.91 v1(9.42,3.93) ; 9.42,3.91 v1(9.42,3.93) ; 9.42,3.91 v1(9.42,3.93) ; 9.42,3.91 v1(9.42,3.93) ; 9.42,3.91 9.55,3.78 ; 9.42,3.91 v1(9.42,3.93) ; 9.42,3.91 v1(9.42,3.93) ; 9.42,3.91 9.55,3.78 ; 9.42,3.91 v1(9.42,3.93) ; 9.42,3.91 9.55,3.78 ; 9.42,3.91 9.55,3.78 ; 9.42,3.91 9.55,3.78 ; 9.42,3.91 9.55,3.78 ; 9.42,3.91 9.55,3.78 ; 9.42,3.91 v1(9.42,3.93) ; 9.42,3.91 9.55,3.78 ; 9.42,3.91 v1(9.42,3.93) ; 9.42,3.91 v1(9.42,3.93) ; 9.42,3.91 v1(9.42,3.93) ; 9.42,3.91 v1(9.42,3.93) ; 9.42,3.91 v1(9.42,3.93) ; 9.42,3.91 9.55,3.78 ; 9.42,3.91 v1(9.42,3.93) ; 9.42,3.91 9.55,3.78 ; 9.42,3.91 9.55,3.78 ; 9.42,3.91 9.55,3.78 ; 9.42,3.91 9.55,3.78 ; 9.42,3.91 v1(9.42,3.93) ; 9.42,3.91 9.55,3.78 ; 9.42,3.91 v1(9.42,3.93) ; 9.42,3.91 v1(9.42,3.93) ; 9.42,3.91 v1(9.42,3.93) ; 9.42,3.91 9.55,3.78 ; 9.42,3.91 9.55,3.78 ; 9.42,3.91 9.55,3.78 ; 9.42,3.91 v1(9.42,3.93) ; 9.42,3.91 9.55,3.78 ; 9.42,3.91 v1(9.42,3.93) ; 9.42,3.91 9.55,3.78 ; 9.42,3.91 v1(9.42,3.93) ; 9.42,3.91 v1(9.42,3.93) ; 9.42,3.91 9.55,3.78 ; 9.42,3.91 9.55,3.78 ; 9.42,3.91 v1(9.42,3.93) ; 9.42,3.91 v1(9.42,3.93) ; 9.42,3.91 9.55,3.78 ; 9.42,3.91 9.55,3.78 ; 9.42,3.91 9.55,3.78 ; 9.42,3.91 9.55,3.78 ; 9.42,3.91 9.55,3.78 ; 9.42,3.91 9.55,3.78 ; 9.42,3.91 v1(9.42,3.93) ; 9.42,3.91 v1(9.42,3.93) ; 9.42,3.91 9.55,3.78 ; 9.42,3.91 9.55,3.78 ; 9.42,3.91 v1(9.42,3.93) ; 9.42,3.91 v1(9.42,3.93) ; 9.42,3.91 v1(9.42,3.93) ; 9.42,3.91 v1(9.42,3.93) ; 9.42,3.91 v1(9.42,3.93) ; 9.42,3.91 v1(9.42,3.93) ; 9.42,3.91 v1(9.42,3.93) ; 9.42,3.91 v1(9.42,3.93) ; 9.42,3.91 9.55,3.78 ; 9.42,3.91 v1(9.42,3.93) ; 9.42,3.91 9.55,3.78 ; 9.42,3.91 9.55,3.78 ; 9.42,3.91 9.55,3.78 ; 9.42,3.91 v1(9.42,3.93) ; 9.42,3.91 9.55,3.78 ; 9.42,3.91 v1(9.42,3.93) ; 9.42,3.91 v1(9.42,3.93) ; 9.55,3.78 J158.60 ; 9.55,3.78 J158.60 ; 9.55,3.78 J158.60 ; 9.55,3.78 J158.60 ; 9.55,3.78 J158.60 ; 9.55,3.78 J158.60 ; 9.55,3.78 J158.60 ; 9.55,3.78 J158.60 ; 9.55,3.78 J158.60 ; 9.55,3.78 J158.60 ; 9.55,3.78 J158.60 ; 9.55,3.78 J158.60 ; 9.55,3.78 J158.60 ; 9.55,3.78 J158.60 ; 9.55,3.78 J158.60 ; 9.55,3.78 J158.60 ; 9.55,3.78 J158.60 ; 9.55,3.78 J158.60 ; 9.55,3.78 J158.60 ; 9.55,3.78 J158.60 ; 9.55,3.78 J158.60 ; 9.55,3.78 J158.60 ; 9.55,3.78 J158.60 ; 9.55,3.78 J158.60 ; 9.55,3.78 J158.60 ; 9.55,3.78 J158.60 ; 9.55,3.78 J158.60 ; 9.55,3.78 J158.60 ; 9.55,3.78 J158.60 ; 9.55,3.78 J158.60 ; 9.55,3.78 J158.60 ; 9.55,3.78 J158.60 ; 9.55,3.78 J158.60 ; 9.55,3.78 J158.60 ; 9.55,3.78 J158.60 ; 9.55,3.78 J158.60 ; 9.55,3.78 J158.60 ; 9.55,3.78 J158.60 ; 9.55,3.78 J158.60 ; 9.55,3.78 J158.60 ; 9.55,3.78 J158.60 ; 9.55,3.78 J158.60
  Bottom w0.1: 9.22,3.73 8.22,3.73 ; 9.22,3.73 v1(9.42,3.93) ; 9.22,3.73 v1(9.42,3.93) ; 9.22,3.73 8.22,3.73 ; 9.22,3.73 v1(9.42,3.93) ; 9.22,3.73 v1(9.42,3.93) ; 9.22,3.73 8.22,3.73 ; 9.22,3.73 v1(9.42,3.93) ; 9.22,3.73 v1(9.42,3.93) ; 9.22,3.73 v1(9.42,3.93) ; 9.22,3.73 8.22,3.73 ; 9.22,3.73 v1(9.42,3.93) ; 9.22,3.73 8.22,3.73 ; 9.22,3.73 v1(9.42,3.93) ; 9.22,3.73 8.22,3.73 ; 9.22,3.73 8.22,3.73 ; 9.22,3.73 v1(9.42,3.93) ; 9.22,3.73 8.22,3.73 ; 9.22,3.73 v1(9.42,3.93) ; 9.22,3.73 v1(9.42,3.93) ; 9.22,3.73 8.22,3.73 ; 9.22,3.73 8.22,3.73 ; 9.22,3.73 8.22,3.73 ; 9.22,3.73 v1(9.42,3.93) ; 9.22,3.73 8.22,3.73 ; 9.22,3.73 8.22,3.73 ; 9.22,3.73 v1(9.42,3.93) ; 9.22,3.73 v1(9.42,3.93) ; 9.22,3.73 v1(9.42,3.93) ; 9.22,3.73 8.22,3.73 ; 9.22,3.73 8.22,3.73 ; 9.22,3.73 v1(9.42,3.93) ; 9.22,3.73 8.22,3.73 ; 9.22,3.73 v1(9.42,3.93) ; 9.22,3.73 v1(9.42,3.93) ; 9.22,3.73 8.22,3.73 ; 9.22,3.73 v1(9.42,3.93) ; 9.22,3.73 8.22,3.73 ; 9.22,3.73 v1(9.42,3.93) ; 9.22,3.73 8.22,3.73 ; 9.22,3.73 v1(9.42,3.93) ; 9.22,3.73 v1(9.42,3.93) ; 9.22,3.73 8.22,3.73 ; 9.22,3.73 8.22,3.73 ; 9.22,3.73 v1(9.42,3.93) ; 9.22,3.73 8.22,3.73 ; 9.22,3.73 v1(9.42,3.93) ; 9.22,3.73 v1(9.42,3.93) ; 9.22,3.73 8.22,3.73 ; 9.22,3.73 8.22,3.73 ; 9.22,3.73 v1(9.42,3.93) ; 9.22,3.73 8.22,3.73 ; 9.22,3.73 v1(9.42,3.93) ; 9.22,3.73 8.22,3.73 ; 9.22,3.73 8.22,3.73 ; 9.22,3.73 v1(9.42,3.93) ; 9.22,3.73 8.22,3.73 ; 9.22,3.73 v1(9.42,3.93) ; 9.22,3.73 v1(9.42,3.93) ; 9.22,3.73 8.22,3.73 ; 9.22,3.73 8.22,3.73 ; 9.22,3.73 8.22,3.73 ; 9.22,3.73 v1(9.42,3.93) ; 9.22,3.73 v1(9.42,3.93) ; 9.22,3.73 v1(9.42,3.93) ; 9.22,3.73 v1(9.42,3.93) ; 9.22,3.73 8.22,3.73 ; 9.22,3.73 8.22,3.73 ; 9.22,3.73 v1(9.42,3.93) ; 9.22,3.73 8.22,3.73 ; 9.22,3.73 v1(9.42,3.93) ; 9.22,3.73 v1(9.42,3.93) ; 9.22,3.73 8.22,3.73 ; 9.22,3.73 v1(9.42,3.93) ; 9.22,3.73 8.22,3.73 ; 9.22,3.73 v1(9.42,3.93) ; 9.22,3.73 8.22,3.73 ; 9.22,3.73 v1(9.42,3.93) ; 9.22,3.73 8.22,3.73 ; 9.22,3.73 8.22,3.73 ; 9.22,3.73 8.22,3.73 ; 9.22,3.73 8.22,3.73 ; 9.22,3.73 v1(9.42,3.93) ; 9.22,3.73 8.22,3.73 ; 8.22,3.73 8.07,3.58 ; 8.22,3.73 8.07,3.58 ; 8.22,3.73 8.07,3.58 ; 8.22,3.73 8.07,3.58 ; 8.22,3.73 8.07,3.58 ; 8.22,3.73 8.07,3.58 ; 8.22,3.73 8.07,3.58 ; 8.22,3.73 8.07,3.58 ; 8.22,3.73 8.07,3.58 ; 8.22,3.73 8.07,3.58 ; 8.22,3.73 8.07,3.58 ; 8.22,3.73 8.07,3.58 ; 8.22,3.73 8.07,3.58 ; 8.22,3.73 8.07,3.58 ; 8.22,3.73 8.07,3.58 ; 8.22,3.73 8.07,3.58 ; 8.22,3.73 8.07,3.58 ; 8.22,3.73 8.07,3.58 ; 8.22,3.73 8.07,3.58 ; 8.22,3.73 8.07,3.58 ; 8.22,3.73 8.07,3.58 ; 8.22,3.73 8.07,3.58 ; 8.22,3.73 8.07,3.58 ; 8.22,3.73 8.07,3.58 ; 8.22,3.73 8.07,3.58 ; 8.22,3.73 8.07,3.58 ; 8.22,3.73 8.07,3.58 ; 8.22,3.73 8.07,3.58 ; 8.22,3.73 8.07,3.58 ; 8.22,3.73 8.07,3.58 ; 8.22,3.73 8.07,3.58 ; 8.22,3.73 8.07,3.58 ; 8.22,3.73 8.07,3.58 ; 8.22,3.73 8.07,3.58 ; 8.22,3.73 8.07,3.58 ; 8.22,3.73 8.07,3.58 ; 8.22,3.73 8.07,3.58 ; 8.22,3.73 8.07,3.58 ; 8.22,3.73 8.07,3.58 ; 8.22,3.73 8.07,3.58 ; 8.22,3.73 8.07,3.58 ; 8.22,3.73 8.07,3.58 ; 8.07,3.58 J173.23 ; 8.07,3.58 J173.23 ; 8.07,3.58 J173.23 ; 8.07,3.58 J173.23 ; 8.07,3.58 J173.23 ; 8.07,3.58 J173.23 ; 8.07,3.58 J173.23 ; 8.07,3.58 J173.23 ; 8.07,3.58 J173.23 ; 8.07,3.58 J173.23 ; 8.07,3.58 J173.23 ; 8.07,3.58 J173.23 ; 8.07,3.58 J173.23 ; 8.07,3.58 J173.23 ; 8.07,3.58 J173.23 ; 8.07,3.58 J173.23 ; 8.07,3.58 J173.23 ; 8.07,3.58 J173.23 ; 8.07,3.58 J173.23 ; 8.07,3.58 J173.23 ; 8.07,3.58 J173.23 ; 8.07,3.58 J173.23 ; 8.07,3.58 J173.23 ; 8.07,3.58 J173.23 ; 8.07,3.58 J173.23 ; 8.07,3.58 J173.23 ; 8.07,3.58 J173.23 ; 8.07,3.58 J173.23 ; 8.07,3.58 J173.23 ; 8.07,3.58 J173.23 ; 8.07,3.58 J173.23 ; 8.07,3.58 J173.23 ; 8.07,3.58 J173.23 ; 8.07,3.58 J173.23 ; 8.07,3.58 J173.23 ; 8.07,3.58 J173.23 ; 8.07,3.58 J173.23 ; 8.07,3.58 J173.23 ; 8.07,3.58 J173.23 ; 8.07,3.58 J173.23 ; 8.07,3.58 J173.23 ; 8.07,3.58 J173.23